# KiCad board mainPCB.kicad_pcb
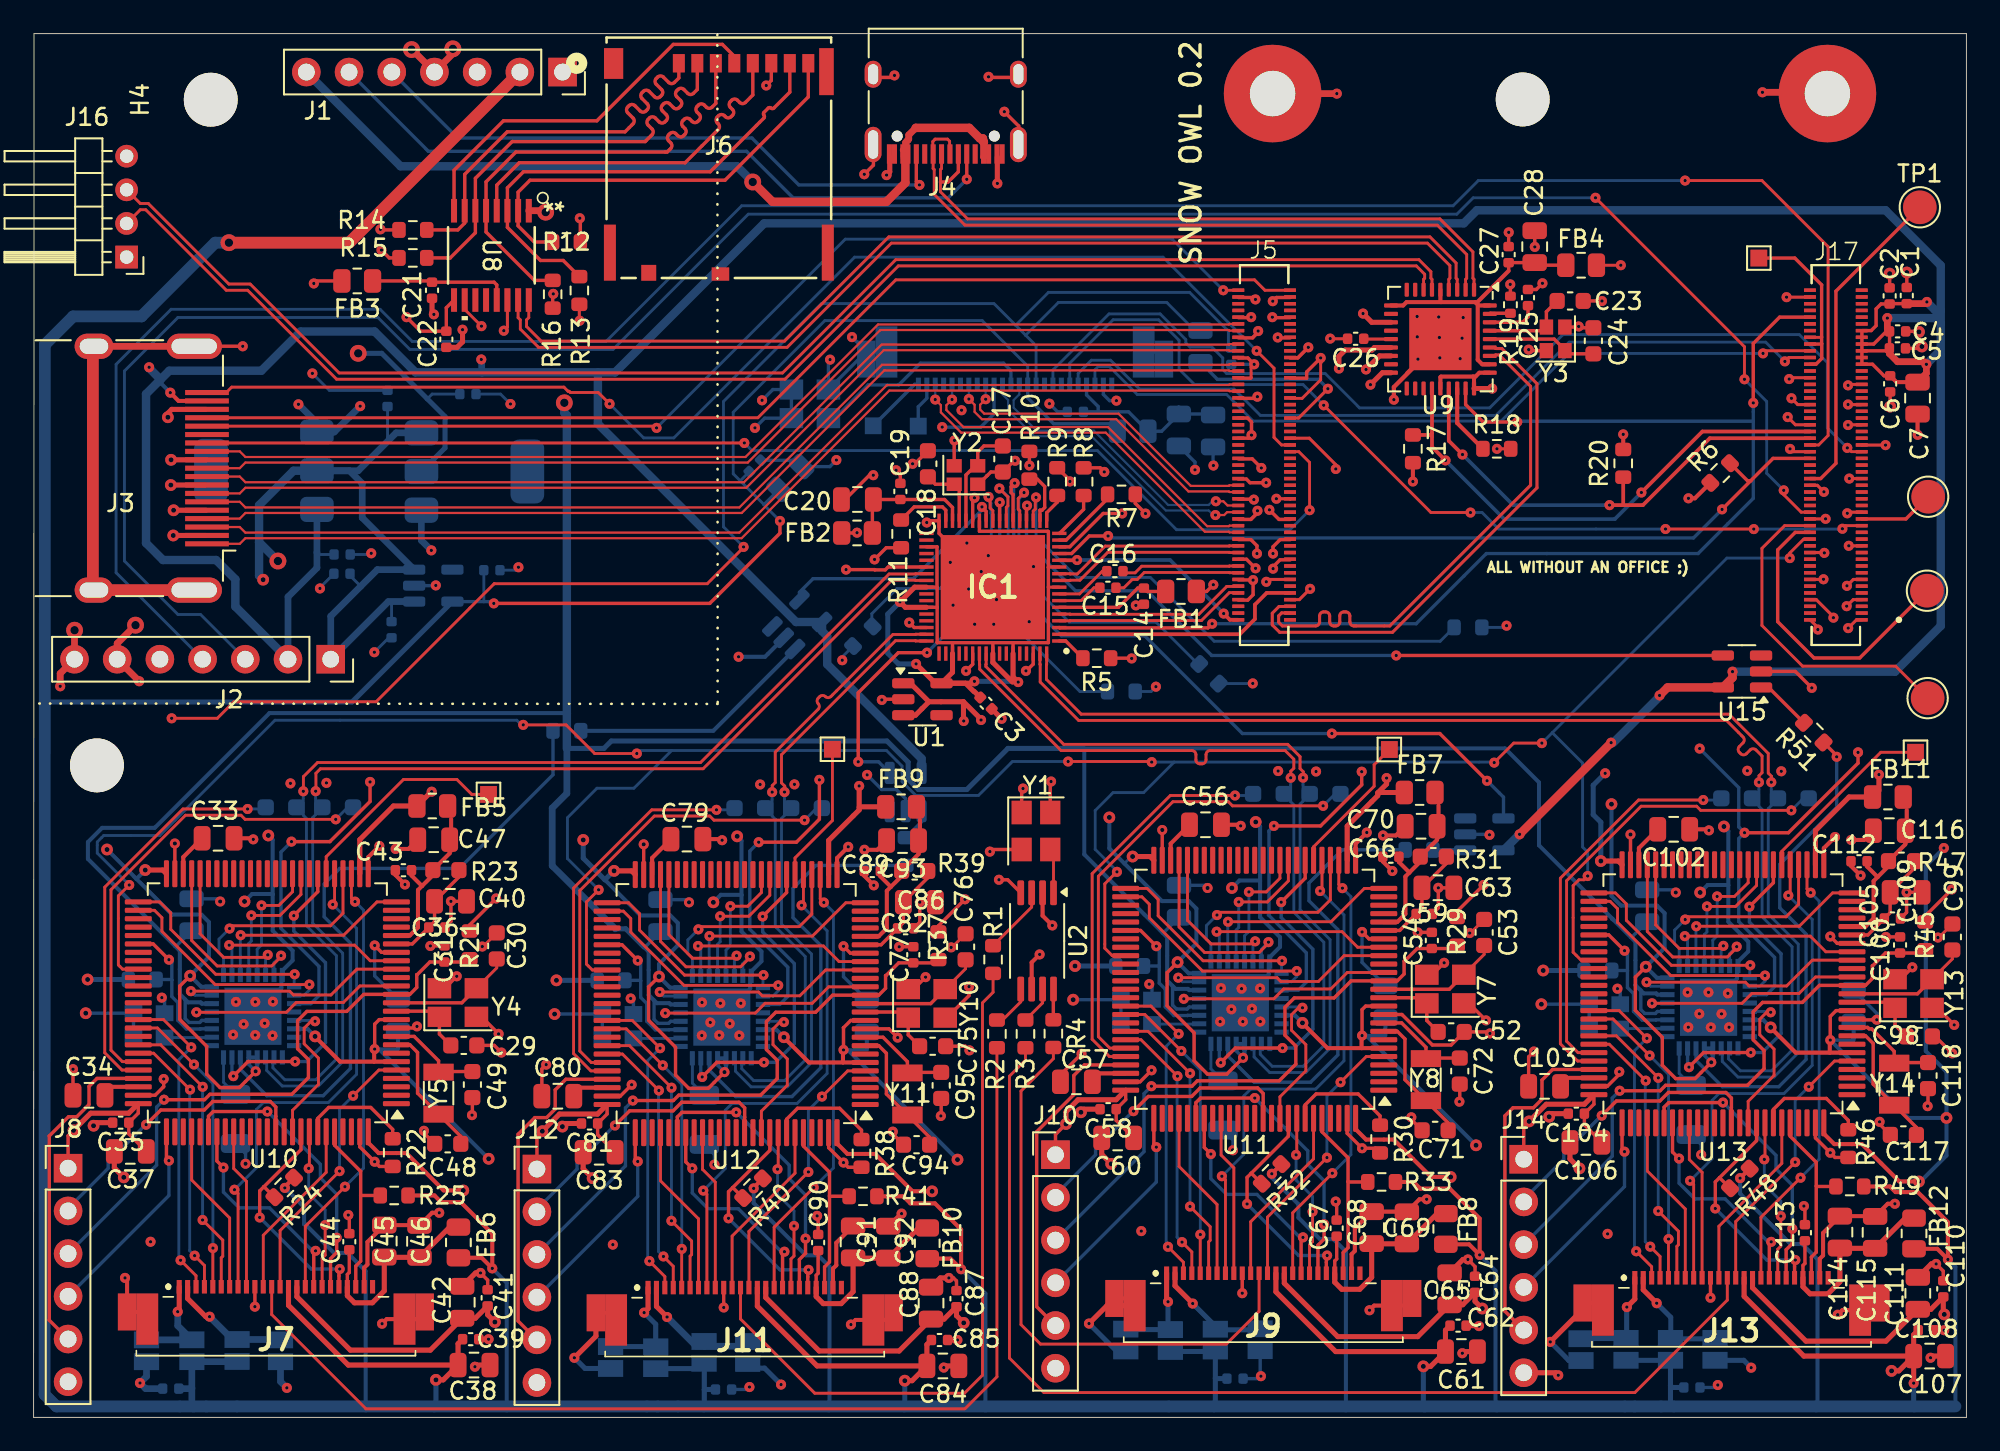
[diagram p0: board, top side]
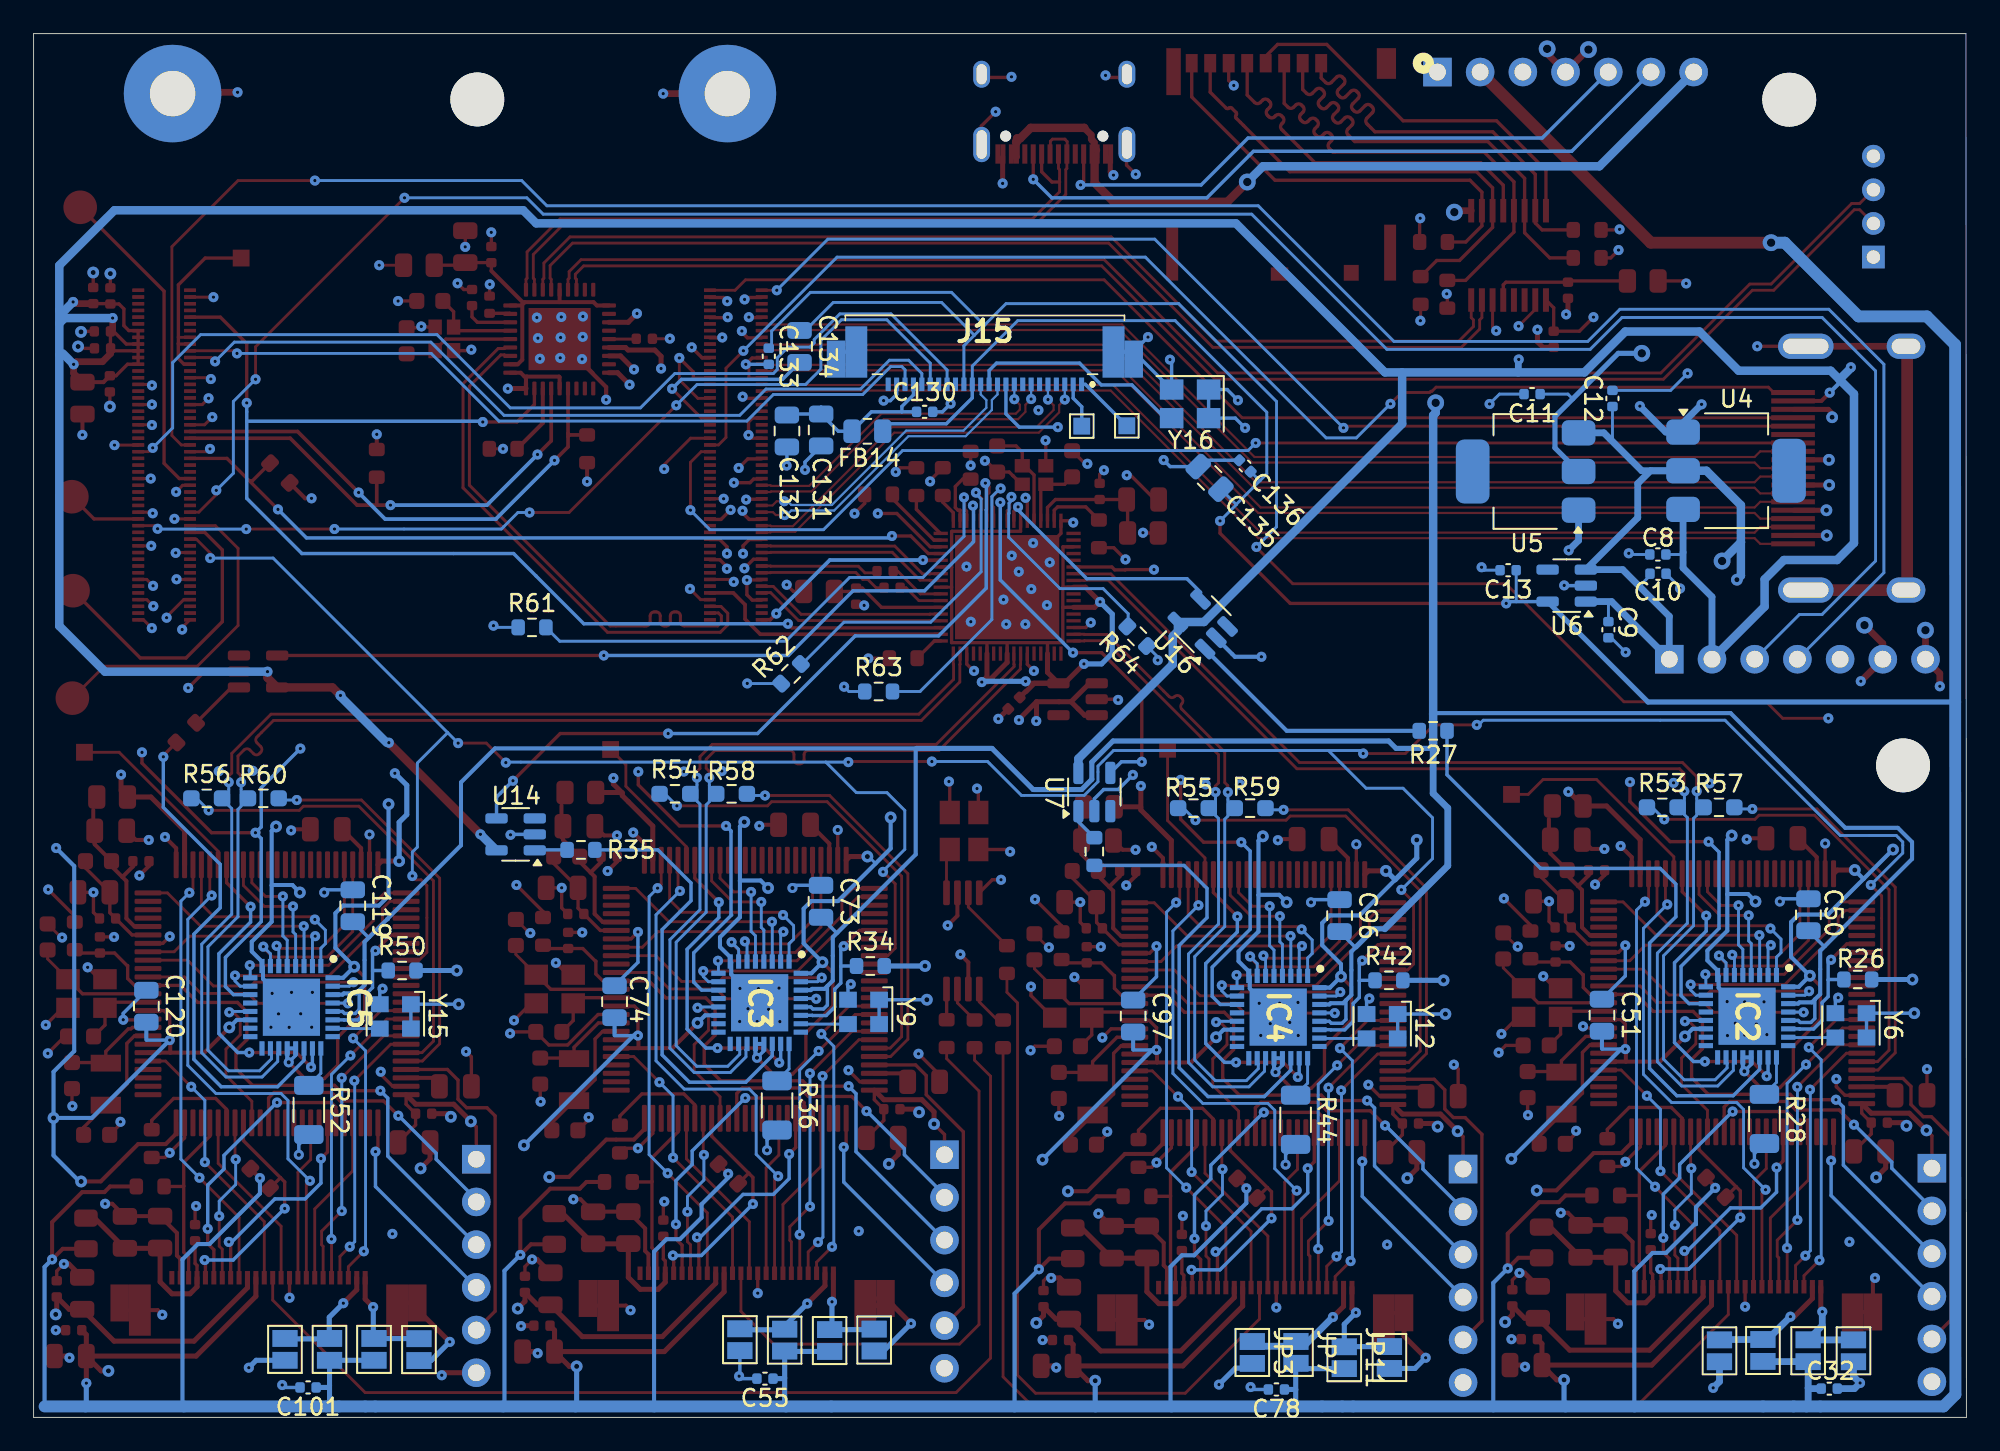
[diagram p1: board, bottom side, seen from below]

Outline 114.95 x 82.31 mm; copper layers: F.Cu Signal, In1.Cu Ground (plane), In2.Cu 5v 3.3v gnd (plane), B.Cu Signal. Coordinates in mm from the lower left corner of the outline.
Outline path: 114.95,0 0,0 0.02,82.31 114.95,82.31 114.95,0
Stack: F.Cu Signal 0.0525mm / dielectric 0.1195mm FR4 er 4.5 / In1.Cu Ground 0.035mm / dielectric 0.8mm FR4 er 4.5 / In2.Cu 5v 3.3v gnd 0.035mm / dielectric 0.1195mm FR4 er 4.5 / B.Cu Signal 0.0525mm

## Placement (name value [footprint] x y rotation side)
C1  0.1uF  [C_0402_1005Metric]  111.41 66.72 90 top
C2  0.1uF  [C_0402_1005Metric]  110.39 66.7 90 top
C3  1uF  [C_0402_1005Metric]  56.65 42.48 315 top
C4  0.1uF  [C_0402_1005Metric]  110.87 64.59 0 top
C5  0.1uF  [C_0402_1005Metric]  110.85 63.59 0 top
C6  0.1uF  [C_0402_1005Metric]  110.42 61.48 270 top
C7  10uF  [C_0805_2012Metric]  112.05 60.62 270 top
C8  1uF  [C_0402_1005Metric]  18.35 51.33 0 bottom
C9  1uF  [C_0402_1005Metric]  21.29 46.85 270 bottom
C10  1uF  [C_0402_1005Metric]  18.34 50.18 180 bottom
C11  1uF  [C_0402_1005Metric]  25.83 60.87 0 bottom
C12  1uF  [C_0402_1005Metric]  21.05 60.6 90 bottom
C13  1uF  [C_0402_1005Metric]  27.26 50.39 0 bottom
C14  0.1uF  [C_0402_1005Metric]  66.03 48.84 90 top
C15  0.1uF  [C_0402_1005Metric]  63.89 49.34 0 top
C16  0.1uF  [C_0402_1005Metric]  64.31 50.33 0 top
C17  15pF  [C_0603_1608Metric]  57.64 57 90 top
C18  18pF  [C_0603_1608Metric]  53.19 56.72 270 top
C19  0.1uF  [C_0402_1005Metric]  51.55 55.07 270 top
C20  10uF  [C_0805_2012Metric]  49 54.59 0 top
C21  0.1uF  [C_0402_1005Metric]  23.7 67.04 270 top
C22  0.1uF  [C_0402_1005Metric]  24.55 64.13 90 top
C23  15pF  [C_0603_1608Metric]  91.39 66.41 180 top
C24  15pF  [C_0603_1608Metric]  92.77 64.03 270 top
C25  0.1uF  [C_0402_1005Metric]  88.88 66.6 90 top
C26  0.1uF  [C_0402_1005Metric]  78.63 64.16 180 top
C27  0.1uF  [C_0402_1005Metric]  87.73 69.16 270 top
C28  10uF  [C_0805_2012Metric]  89.28 69.63 270 top
C29  17pF  [C_0603_1608Metric]  25.59 22.13 180 top
C30  17pF  [C_0603_1608Metric]  27.55 28.04 270 top
C31  1uF  [C_0402_1005Metric]  24.43 27.57 90 top
C32  0.1uF  [C_0402_1005Metric]  8.16 1.71 180 bottom
C33  2.2uF  [C_0805_2012Metric]  10.97 34.45 180 top
C34  2.2uF  [C_0805_2012Metric]  3.29 19.16 0 top
C35  0.1uF  [C_0402_1005Metric]  5.18 17.53 180 top
C36  0.1uF  [C_0402_1005Metric]  23.98 29.14 180 top
C37  10uF  [C_0805_2012Metric]  5.75 15.82 180 top
C38  1uF  [C_0805_2012Metric]  26.19 3.11 180 top
C39  0.1uF  [C_0402_1005Metric]  25.99 4.65 0 top
C40  1uF  [C_0805_2012Metric]  24.8 30.7 180 top
C41  0.1uF  [C_0402_1005Metric]  27 7.11 90 top
C42  1uF  [C_0805_2012Metric]  25.49 6.84 90 top
C43  0.1uF  [C_0402_1005Metric]  22 32.55 180 top
C44  0.1uF  [C_0402_1005Metric]  18.77 10.45 90 top
C45  1uF  [C_0805_2012Metric]  20.86 10.48 90 top
C46  10uF  [C_0805_2012Metric]  22.95 10.47 90 top
C47  10uF  [C_0805_2012Metric]  23.79 34.36 180 top
C48  17pF  [C_0603_1608Metric]  24.63 16.27 180 top
C49  17pF  [C_0603_1608Metric]  26.09 19.79 270 top
C50  2.2uF  [C_0805_2012Metric]  9.4 29.89 270 bottom
C51  2.2uF  [C_0805_2012Metric]  21.67 23.92 270 bottom
C52  17pF  [C_0603_1608Metric]  84.31 22.93 180 top
C53  17pF  [C_0603_1608Metric]  86.27 28.84 270 top
C54  1uF  [C_0402_1005Metric]  83.16 28.37 90 top
C55  0.1uF  [C_0402_1005Metric]  71.45 2.3 0 bottom
C56  2.2uF  [C_0805_2012Metric]  69.7 35.25 180 top
C57  2.2uF  [C_0805_2012Metric]  62.02 19.96 0 top
C58  0.1uF  [C_0402_1005Metric]  63.91 18.33 180 top
C59  0.1uF  [C_0402_1005Metric]  82.71 29.94 180 top
C60  10uF  [C_0805_2012Metric]  64.48 16.62 180 top
C61  1uF  [C_0805_2012Metric]  84.92 3.91 180 top
C62  0.1uF  [C_0402_1005Metric]  84.72 5.45 0 top
C63  1uF  [C_0805_2012Metric]  83.52 31.5 180 top
C64  0.1uF  [C_0402_1005Metric]  85.73 7.91 90 top
C65  1uF  [C_0805_2012Metric]  84.22 7.65 90 top
C66  0.1uF  [C_0402_1005Metric]  80.72 33.35 180 top
C67  0.1uF  [C_0402_1005Metric]  77.5 11.25 90 top
C68  1uF  [C_0805_2012Metric]  79.58 11.29 90 top
C69  10uF  [C_0805_2012Metric]  81.68 11.27 90 top
C70  10uF  [C_0805_2012Metric]  82.52 35.16 180 top
C71  17pF  [C_0603_1608Metric]  83.36 17.07 180 top
C72  17pF  [C_0603_1608Metric]  84.82 20.6 270 top
C73  2.2uF  [C_0805_2012Metric]  68.12 30.7 270 bottom
C74  2.2uF  [C_0805_2012Metric]  80.4 24.72 270 bottom
C75  17pF  [C_0603_1608Metric]  53.47 22.08 180 top
C76  17pF  [C_0603_1608Metric]  55.43 27.99 270 top
C77  1uF  [C_0402_1005Metric]  52.32 27.52 90 top
C78  0.1uF  [C_0402_1005Metric]  41.03 1.66 0 bottom
C79  2.2uF  [C_0805_2012Metric]  38.86 34.39 180 top
C80  2.2uF  [C_0805_2012Metric]  31.18 19.11 0 top
C81  0.1uF  [C_0402_1005Metric]  33.06 17.48 180 top
C82  0.1uF  [C_0402_1005Metric]  51.86 29.09 180 top
C83  10uF  [C_0805_2012Metric]  33.64 15.77 180 top
C84  1uF  [C_0805_2012Metric]  54.08 3.06 180 top
C85  0.1uF  [C_0402_1005Metric]  53.88 4.6 0 top
C86  1uF  [C_0805_2012Metric]  52.68 30.64 180 top
C87  0.1uF  [C_0402_1005Metric]  54.89 7.06 90 top
C88  1uF  [C_0805_2012Metric]  53.38 6.79 90 top
C89  0.1uF  [C_0402_1005Metric]  49.88 32.49 180 top
C90  0.1uF  [C_0402_1005Metric]  46.66 10.4 90 top
C91  1uF  [C_0805_2012Metric]  48.74 10.43 90 top
C92  10uF  [C_0805_2012Metric]  50.84 10.42 90 top
C93  10uF  [C_0805_2012Metric]  51.68 34.31 180 top
C94  17pF  [C_0603_1608Metric]  52.52 16.22 180 top
C95  17pF  [C_0603_1608Metric]  53.98 19.74 270 top
C96  2.2uF  [C_0805_2012Metric]  37.28 29.84 270 bottom
C97  2.2uF  [C_0805_2012Metric]  49.56 23.87 270 bottom
C98  17pF  [C_0603_1608Metric]  112.16 22.66 180 top
C99  17pF  [C_0603_1608Metric]  114.12 28.57 270 top
C100  1uF  [C_0402_1005Metric]  111.01 28.1 90 top
C101  0.1uF  [C_0402_1005Metric]  98.63 1.78 0 bottom
C102  2.2uF  [C_0805_2012Metric]  97.55 34.98 180 top
C103  2.2uF  [C_0805_2012Metric]  89.87 19.69 0 top
C104  0.1uF  [C_0402_1005Metric]  91.76 18.06 180 top
C105  0.1uF  [C_0402_1005Metric]  110.56 29.67 180 top
C106  10uF  [C_0805_2012Metric]  92.33 16.35 180 top
C107  1uF  [C_0805_2012Metric]  112.77 3.65 180 top
C108  0.1uF  [C_0402_1005Metric]  112.57 5.19 0 top
C109  1uF  [C_0805_2012Metric]  111.37 31.23 180 top
C110  0.1uF  [C_0402_1005Metric]  113.58 7.65 90 top
C111  1uF  [C_0805_2012Metric]  112.07 7.38 90 top
C112  0.1uF  [C_0402_1005Metric]  108.57 33.08 180 top
C113  0.1uF  [C_0402_1005Metric]  105.35 10.98 90 top
C114  1uF  [C_0805_2012Metric]  107.43 11.02 90 top
C115  10uF  [C_0805_2012Metric]  109.53 11 90 top
C116  10uF  [C_0805_2012Metric]  110.37 34.89 180 top
C117  17pF  [C_0603_1608Metric]  111.21 16.8 180 top
C118  17pF  [C_0603_1608Metric]  112.67 20.33 270 top
C119  2.2uF  [C_0805_2012Metric]  95.97 30.43 270 bottom
C120  2.2uF  [C_0805_2012Metric]  108.25 24.46 270 bottom
C130  0.1uF  [C_0402_1005Metric]  61.96 59.81 180 bottom
C131  1uF  [C_0805_2012Metric]  68.11 58.73 270 bottom
C132  10uF  [C_0805_2012Metric]  70.15 58.67 270 bottom
C133  0.1uF  [C_0402_1005Metric]  71.23 63.12 270 bottom
C134  1uF  [C_0805_2012Metric]  69.4 63.7 270 bottom
C135  1uF  [C_0805_2012Metric]  45.01 55.88 225 bottom
C136  0.1uF  [C_0402_1005Metric]  42.91 56.59 45 bottom
FB1  FerriteBead  [R_0805_2012Metric]  68.24 49.12 180 top
FB2  FerriteBead  [R_0805_2012Metric]  48.97 52.6 0 top
FB3  FerriteBead  [R_0805_2012Metric]  19.25 67.59 180 top
FB4  FerriteBead  [R_0805_2012Metric]  92.04 68.53 0 top
FB5  FerriteBead  [R_0805_2012Metric]  23.71 36.36 0 top
FB6  FerriteBead  [R_0805_2012Metric]  25.27 10.4 90 top
FB7  FerriteBead  [R_0805_2012Metric]  82.44 37.17 0 top
FB8  FerriteBead  [R_0805_2012Metric]  83.99 11.21 90 top
FB9  FerriteBead  [R_0805_2012Metric]  51.59 36.31 0 top
FB10  FerriteBead  [R_0805_2012Metric]  53.15 10.35 90 top
FB11  FerriteBead  [R_0805_2012Metric]  110.29 36.9 0 top
FB12  FerriteBead  [R_0805_2012Metric]  111.84 10.94 90 top
FB14  FerriteBead  [R_0805_2012Metric]  65.36 58.66 0 bottom
H1  MountingHole  [MountingHole_3.2mm_M3]  3.77 38.78 0 top
H2  MountingHole  [MountingHole_3.2mm_M3]  88.56 78.39 0 top
H4  MountingHole  [MountingHole_3.2mm_M3]  10.54 78.38 90 top
IC1  UPD720201K8-701-BAC-A  [QFN40P800X800X90-69N-D]  57.05 49.38 180 top
IC2  USB3320C-EZK-TR  [usb3320]  13.05 23.86 270 bottom
IC3  USB3320C-EZK-TR  [usb3320]  71.77 24.66 270 bottom
IC4  USB3320C-EZK-TR  [usb3320]  40.93 23.81 270 bottom
IC5  USB3320C-EZK-TR  [usb3320]  99.62 24.39 270 bottom
J1  Conn_01x07_Pin  [PinSocket_1x07_P2.54mm_Vertical]  31.46 80.02 270 top
J2  Conn_01x07_Pin  [PinSocket_1x07_P2.54mm_Vertical]  17.67 45.09 270 top
J3  HDMI_A  [HDMI_A_Molex_208658-1001_Horizontal]  7.02 56.46 180 top
J4  USB_C_Receptacle_USB2.0_14P  [USB_C_Receptacle_XKB_U262-16XN-4BVC11]  54.25 78.81 180 top
J5  DF40C-100DS-0.4V_51_  [cm4100pinconnector]  73.19 57.24 90 top
J6  SD card slot  [CONN_503398-1892_MOL]  40.75 74.92 0 top
J7  52437-2471  [524372471]  14.41 4.62 0 top
J8  Conn_01x06_Pin  [PinHeader_1x06_P2.54mm_Vertical]  2.05 14.82 0 top
J9  52437-2471  [524372471]  73.14 5.42 0 top
J10  Conn_01x06_Pin  [PinHeader_1x06_P2.54mm_Vertical]  60.78 15.62 0 top
J11  52437-2471  [524372471]  42.29 4.57 0 top
J12  Conn_01x06_Pin  [PinHeader_1x06_P2.54mm_Vertical]  29.94 14.77 0 top
J13  52437-2471  [524372471]  100.99 5.15 0 top
J14  Conn_01x06_Pin  [PinHeader_1x06_P2.54mm_Vertical]  88.63 15.35 0 top
J15  52437-2471  [524372471]  58.38 64.59 0 bottom
J16  Conn_01x04  [PinHeader_1x04_P2.00mm_Horizontal]  5.53 69.02 180 top
J17  DF40C-100DS-0.4V_51_  [cm4100pinconnector]  107.19 57.24 90 top
JP1  SolderJumper_2_Open  [SolderJumper-2_P1.3mm_Open_Pad1.0x1.5mm]  14.69 3.96 270 bottom
JP2  SolderJumper_2_Open  [SolderJumper-2_P1.3mm_Open_Pad1.0x1.5mm]  72.95 4.62 270 bottom
JP3  SolderJumper_2_Open  [SolderJumper-2_P1.3mm_Open_Pad1.0x1.5mm]  42.47 3.86 270 bottom
JP4  SolderJumper_2_Open  [SolderJumper-2_P1.3mm_Open_Pad1.0x1.5mm]  100 4.04 270 bottom
JP5  SolderJumper_2_Open  [SolderJumper-2_P1.3mm_Open_Pad1.0x1.5mm]  12.1 3.98 270 bottom
JP6  SolderJumper_2_Open  [SolderJumper-2_P1.3mm_Open_Pad1.0x1.5mm]  70.28 4.59 270 bottom
JP7  SolderJumper_2_Open  [SolderJumper-2_P1.3mm_Open_Pad1.0x1.5mm]  39.88 3.86 270 bottom
JP8  SolderJumper_2_Open  [SolderJumper-2_P1.3mm_Open_Pad1.0x1.5mm]  97.35 4.04 270 bottom
JP9  SolderJumper_2_Open  [SolderJumper-2_P1.3mm_Open_Pad1.0x1.5mm]  9.41 3.96 270 bottom
JP10  SolderJumper_2_Open  [SolderJumper-2_P1.3mm_Open_Pad1.0x1.5mm]  67.61 4.57 270 bottom
JP11  SolderJumper_2_Open  [SolderJumper-2_P1.3mm_Open_Pad1.0x1.5mm]  37 3.55 270 bottom
JP12  SolderJumper_2_Open  [SolderJumper-2_P1.3mm_Open_Pad1.0x1.5mm]  94.71 4.04 270 bottom
JP13  SolderJumper_2_Open  [SolderJumper-2_P1.3mm_Open_Pad1.0x1.5mm]  6.72 3.96 270 bottom
JP14  SolderJumper_2_Open  [SolderJumper-2_P1.3mm_Open_Pad1.0x1.5mm]  64.96 4.6 270 bottom
JP15  SolderJumper_2_Open  [SolderJumper-2_P1.3mm_Open_Pad1.0x1.5mm]  34.31 3.56 270 bottom
JP16  SolderJumper_2_Open  [SolderJumper-2_P1.3mm_Open_Pad1.0x1.5mm]  92.03 4.03 270 bottom
R1  20Ohm  [R_0603_1608Metric]  57.06 27.23 270 top
R2  20Ohm  [R_0603_1608Metric]  57.3 22.81 270 top
R3  20Ohm  [R_0603_1608Metric]  58.99 22.81 270 top
R4  20Ohm  [R_0603_1608Metric]  60.65 22.82 270 top
R5  10k  [R_0603_1608Metric]  63.23 45.16 180 top
R6  10k  [R_0603_1608Metric]  100.31 56.17 45 top
R7  10k  [R_0603_1608Metric]  64.7 54.9 180 top
R8  10k  [R_0603_1608Metric]  62.45 55.66 270 top
R9  10k  [R_0603_1608Metric]  60.88 55.66 270 top
R10  10k  [R_0603_1608Metric]  59.22 56.63 270 top
R11  1.6kOhm  [R_0603_1608Metric]  51.59 52.55 270 top
R12  10k  [R_0603_1608Metric]  31.69 69.91 0 top
R13  10k  [R_0603_1608Metric]  32.46 67.03 270 top
R14  10k  [R_0603_1608Metric]  22.55 70.63 180 top
R15  10k  [R_0603_1608Metric]  22.55 68.97 180 top
R16  10k  [R_0603_1608Metric]  30.87 66.8 270 top
R17  10k  [R_0603_1608Metric]  82.03 57.61 270 top
R18  10k  [R_0603_1608Metric]  87.03 57.61 0 top
R19  R  [R_0402_1005Metric]  87.84 66.18 270 top
R20  10k  [R_0603_1608Metric]  94.54 56.74 90 top
R21  10k  [R_0603_1608Metric]  25.93 28.1 270 top
R22  10k  [R_0603_1608Metric]  21.36 15.75 270 top
R23  R_Small  [C_0603_1608Metric]  24.52 32.55 0 top
R24  10k  [R_0603_1608Metric]  14.91 13.68 225 top
R25  10k  [R_0603_1608Metric]  21.45 13.2 180 top
R26  10k  [R_0603_1608Metric]  6.46 26.04 180 bottom
R27  10k  [R_0603_1608Metric]  31.72 40.83 0 bottom
R28  R  [R_1206_3216Metric]  12.01 17.75 270 bottom
R29  10k  [R_0603_1608Metric]  84.66 28.91 270 top
R30  10k  [R_0603_1608Metric]  80.08 16.55 270 top
R31  R_Small  [C_0603_1608Metric]  83.25 33.35 0 top
R32  10k  [R_0603_1608Metric]  73.63 14.48 225 top
R33  10k  [R_0603_1608Metric]  80.17 14 180 top
R34  10k  [R_0603_1608Metric]  65.19 26.85 180 bottom
R35  10k  [R_0603_1608Metric]  82.4 33.75 0 bottom
R36  R  [R_1206_3216Metric]  70.74 18.55 270 bottom
R37  10k  [R_0603_1608Metric]  53.81 28.05 270 top
R38  10k  [R_0603_1608Metric]  49.24 15.7 270 top
R39  R_Small  [C_0603_1608Metric]  52.4 32.5 0 top
R40  10k  [R_0603_1608Metric]  42.79 13.63 225 top
R41  10k  [R_0603_1608Metric]  49.33 13.15 180 top
R42  10k  [R_0603_1608Metric]  34.34 25.99 180 bottom
R43  10k  [R_0603_1608Metric]  51.86 33.66 90 bottom
R44  R  [R_1206_3216Metric]  39.89 17.7 270 bottom
R45  10k  [R_0603_1608Metric]  112.51 28.64 270 top
R46  10k  [R_0603_1608Metric]  107.93 16.28 270 top
R47  R_Small  [C_0603_1608Metric]  111.1 33.08 0 top
R48  10k  [R_0603_1608Metric]  101.48 14.21 225 top
R49  10k  [R_0603_1608Metric]  108.02 13.73 180 top
R50  10k  [R_0603_1608Metric]  93.04 26.58 180 bottom
R51  10k  [R_0603_1608Metric]  105.88 40.73 135 top
R52  R  [R_1206_3216Metric]  98.59 18.28 270 bottom
R53  0Ohm  [R_0603_1608Metric_Pad0.98x0.95mm_HandSolder]  18.09 36.29 180 bottom
R54  0Ohm  [R_0603_1608Metric_Pad0.98x0.95mm_HandSolder]  76.81 37.09 180 bottom
R55  0Ohm  [R_0603_1608Metric_Pad0.98x0.95mm_HandSolder]  45.97 36.24 180 bottom
R56  0Ohm  [R_0603_1608Metric_Pad0.98x0.95mm_HandSolder]  104.66 36.82 180 bottom
R57  0Ohm  [R_0603_1608Metric_Pad0.98x0.95mm_HandSolder]  14.72 36.29 0 bottom
R58  0Ohm  [R_0603_1608Metric_Pad0.98x0.95mm_HandSolder]  73.44 37.09 0 bottom
R59  0Ohm  [R_0603_1608Metric_Pad0.98x0.95mm_HandSolder]  42.6 36.24 0 bottom
R60  0Ohm  [R_0603_1608Metric_Pad0.98x0.95mm_HandSolder]  101.29 36.82 0 bottom
R61  10k  [R_0603_1608Metric]  85.31 46.99 180 bottom
R62  10k  [R_0603_1608Metric]  69.91 44.23 135 bottom
R63  10k  [R_0603_1608Metric]  64.7 43.17 180 bottom
R64  10k  [R_0603_1608Metric]  49.32 46.46 45 bottom
TP1  TestPoint  [TestPoint_Pad_D2.0mm]  112.19 71.97 0 top
TP2  TestPoint  [TestPoint_Pad_D2.0mm]  112.68 54.76 0 top
TP3  TestPoint  [TestPoint_Pad_D2.0mm]  112.65 42.78 0 top
TP4  TestPoint  [TestPoint_Pad_D2.0mm]  112.61 49.17 0 top
TP5  TestPoint  [TestPoint_Pad_1.0x1.0mm]  49.94 58.98 180 bottom
TP6  TestPoint  [TestPoint_Pad_1.0x1.0mm]  52.61 58.96 180 bottom
TP7  TestPoint  [TestPoint_Pad_1.0x1.0mm]  27.05 37.05 0 top
TP8  TestPoint  [TestPoint_Pad_1.0x1.0mm]  80.64 39.72 0 top
TP9  TestPoint  [TestPoint_Pad_1.0x1.0mm]  47.51 39.74 0 top
TP10  TestPoint  [TestPoint_Pad_1.0x1.0mm]  111.93 39.56 0 top
TP11  TestPoint  [TestPoint_Pad_1.0x1.0mm]  102.61 68.95 0 top
U1  TLV70012_SOT23-5  [SOT-23-5]  52.86 42.72 0 top
U2  CDCV304  [TSSOP-8_4.4x3mm_P0.65mm]  59.69 28.34 270 top
U3  CM4102008  [CM4]  90.19 54.74 270 top
U4  BL8072CLTR33  [SOT-223-3_TabPin2]  13.7 56.3 180 bottom
U5  AMS1117-1.5  [SOT-223-3_TabPin2]  26.22 56.26 0 bottom
U6  TLV75728PDBV  [SOT-23-5]  23.77 49.47 0 bottom
U7  AAT4610BIGV-1-T1  [SOT-23-5]  51.86 37.2 90 bottom
U8  GL823K-HCY04  [SSOP-16_GL823K-HCY04_GEN]  27.23 69.11 180 top
U9  USB2514B_Bi  [QFN-36-1EP_6x6mm_P0.5mm_EP3.7x3.7mm]  83.67 64.13 270 top
U10  STM32H743VITx  [LQFP-100_14x14mm_P0.5mm]  13.9 24.66 180 top
U11  STM32H743VITx  [LQFP-100_14x14mm_P0.5mm]  72.63 25.46 180 top
U12  STM32H743VITx  [LQFP-100_14x14mm_P0.5mm]  41.78 24.61 180 top
U13  STM32H743VITx  [LQFP-100_14x14mm_P0.5mm]  100.48 25.19 180 top
U14  AAT4610BIGV-1-T1  [SOT-23-5]  86.28 34.68 0 bottom
U15  AAT4610BIGV-1-T1  [SOT-23-5]  101.6 44.37 180 top
U16  AAT4610BIGV-1-T1  [SOT-23-5]  45.42 47.18 45 bottom
Y1  SG-210SCD  [Crystal_SMD_3225-4Pin_3.2x2.5mm]  59.61 34.88 270 top
Y2  Crystal  [Crystal_SMD_2016-4Pin_2.0x1.6mm]  55.45 56.05 0 top
Y3  Crystal  [Crystal_SMD_2016-4Pin_2.0x1.6mm]  90.53 64.15 90 top
Y4  Crystal_GND23  [Crystal_SMD_3225-4Pin_3.2x2.5mm]  25.23 24.67 0 top
Y5  Crystal  [Crystal_SMD_3215-2Pin_3.2x1.5mm]  24.09 19.28 90 top
Y6  SG-210SCD  [Oscillator_SMD_Kyocera_KC2520Z-4Pin_2.5x2.0mm]  6.87 23.31 270 bottom
Y7  Crystal_GND23  [Crystal_SMD_3225-4Pin_3.2x2.5mm]  83.96 25.48 0 top
Y8  Crystal  [Crystal_SMD_3215-2Pin_3.2x1.5mm]  82.81 20.09 90 top
Y9  SG-210SCD  [Oscillator_SMD_Kyocera_KC2520Z-4Pin_2.5x2.0mm]  65.59 24.12 270 bottom
Y10  Crystal_GND23  [Crystal_SMD_3225-4Pin_3.2x2.5mm]  53.12 24.62 0 top
Y11  Crystal  [Crystal_SMD_3215-2Pin_3.2x1.5mm]  51.97 19.23 90 top
Y12  SG-210SCD  [Oscillator_SMD_Kyocera_KC2520Z-4Pin_2.5x2.0mm]  34.75 23.26 270 bottom
Y13  Crystal_GND23  [Crystal_SMD_3225-4Pin_3.2x2.5mm]  111.81 25.21 0 top
Y14  Crystal  [Crystal_SMD_3215-2Pin_3.2x1.5mm]  110.66 19.82 90 top
Y15  SG-210SCD  [Oscillator_SMD_Kyocera_KC2520Z-4Pin_2.5x2.0mm]  93.44 23.85 270 bottom
Y16  SG-210SCD  [Crystal_SMD_3225-4Pin_3.2x2.5mm]  46.17 60.28 0 bottom
